# KiCad board usb_power_board.kicad_pcb (continued)
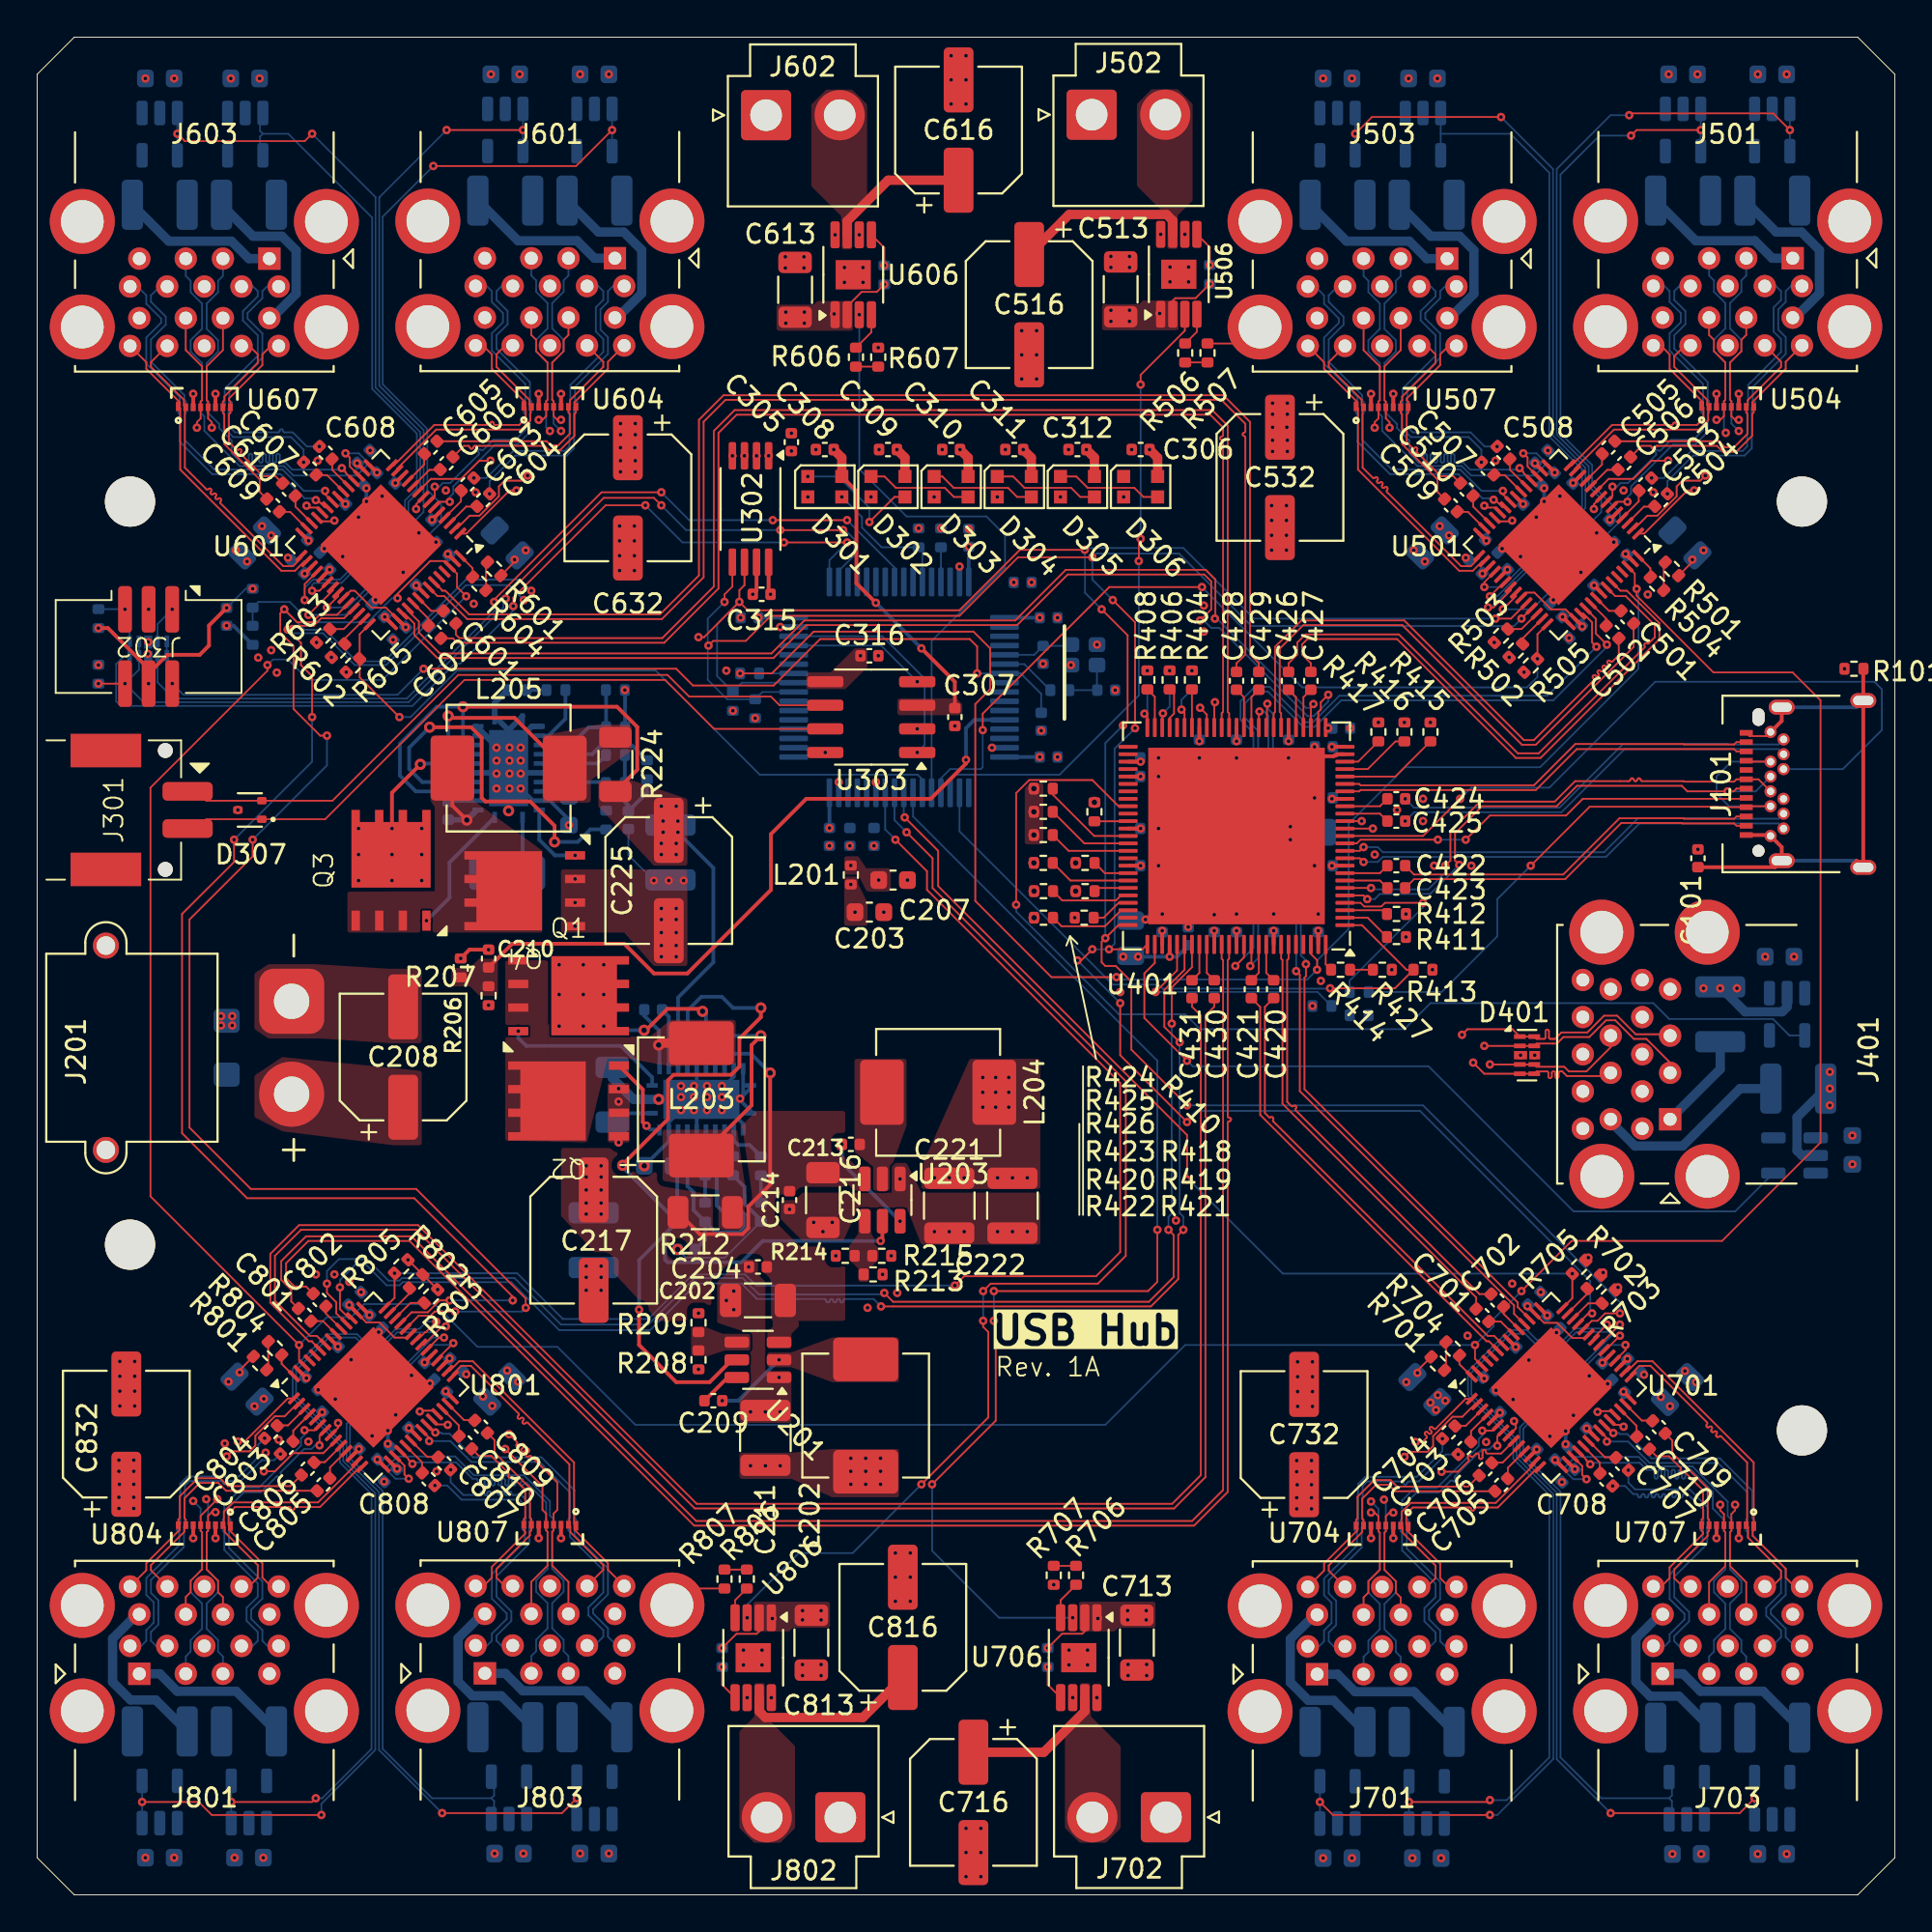
[diagram p0: board, top side]
## Routing (per net, layer and track width the routed paths; a pad name or vN(x,y) marks a point on that pad's centre or on a via; arc(x,y) is an arc through that point) (continued)
/USB Hub 3/D_{C}+: length 23.3
  Top w0.095: U701.17 83.17,23.08 83.17,22.61 v1(83.4,22.38)
  Bottom w0.095: v1(83.4,22.38) 82.69,22.38 82.26,22.81 82.26,23.04 82.8,23.58 86.21,23.58 86.72,23.06 89.1,23.06 91,21.17 91,20.4 91.2,20.2 U710.5 91.2,19.6 91.12,19.52 91.12,17.52 91.74,16.91 91.74,16.29 91.12,15.68 91.12,14.32 91.74,13.71 91.74,13.09 92,12.83 J703.3
/USB Hub 3/D_{C}-: length 23.3
  Top w0.095: U701.18 83.4,23.42 83.4,23.38 v1(83.6,23.18)
  Bottom w0.095: v1(83.6,23.18) 83.68,23.26 86.26,23.26 86.64,22.88 86.98,22.88 arc(87.04,22.86) 87.06,22.8 87.06,22.48 arc(87.08,22.43) 87.13,22.41 87.17,22.41 arc(87.22,22.43) 87.24,22.48 87.24,22.8 arc(87.26,22.86) 87.32,22.88 87.35,22.88 arc(87.41,22.86) 87.43,22.8 87.43,22.48 arc(87.45,22.43) 87.5,22.41 87.54,22.41 arc(87.59,22.43) 87.61,22.48 87.61,22.8 arc(87.63,22.86) 87.69,22.88 87.72,22.88 arc(87.78,22.86) 87.8,22.8 87.8,22.48 arc(87.82,22.43) 87.87,22.41 87.91,22.41 arc(87.96,22.43) 87.98,22.48 87.98,22.8 arc(88,22.86) 88.06,22.88 88.09,22.88 arc(88.15,22.86) 88.17,22.8 88.17,22.48 arc(88.19,22.43) 88.24,22.41 88.28,22.41 arc(88.33,22.43) 88.35,22.48 88.35,22.8 arc(88.37,22.86) 88.43,22.88 88.46,22.88 arc(88.52,22.86) 88.54,22.8 88.54,22.48 arc(88.56,22.43) 88.61,22.41 88.65,22.41 arc(88.7,22.43) 88.72,22.48 88.72,22.8 arc(88.74,22.86) 88.8,22.88 89.03,22.88 90.2,21.7 90.2,20.8 90.8,20.2 U710.4 90.8,19.6 90.88,19.52 90.88,17.52 90.26,16.91 90.26,16.29 90.88,15.68 90.88,14.32 90.26,13.71 90.26,13.09 90,12.83 J703.2
/USB Hub 3/D_{D}+: length 17.2
  Top w0.095: v1(85.4,25.2) 85.3,25.3 84.91,25.3 U701.24 ; v1(91.4,21) 91.4,20.7 91.2,20.5 U707.4 91.2,19.6 91.12,19.52 91.12,17.7 92,16.82 J703.12
  PWRF.Cu w0.095: 85.48,25.08 85.5,25.07
  PWRB.Cu w0.095: v1(91.4,21) 89.66,22.74 arc(89.64,22.79) 89.66,22.84 89.79,22.97 arc(89.82,23.02) 89.79,23.08 89.77,23.1 arc(89.72,23.12) 89.66,23.1 89.53,22.97 arc(89.48,22.95) 89.43,22.97 89.4,23 arc(89.38,23.05) 89.4,23.1 89.53,23.23 arc(89.55,23.29) 89.53,23.34 89.51,23.36 arc(89.45,23.39) 89.4,23.36 89.27,23.23 arc(89.22,23.21) 89.17,23.23 89.14,23.26 arc(89.12,23.31) 89.14,23.36 89.27,23.5 arc(89.29,23.55) 89.27,23.6 89.24,23.63 arc(89.19,23.65) 89.14,23.63 89.01,23.5 arc(88.96,23.47) 88.9,23.5 88.88,23.52 arc(88.86,23.57) 88.88,23.63 89.01,23.76 arc(89.03,23.81) 89.01,23.86 88.98,23.89 arc(88.93,23.91) 88.88,23.89 88.75,23.76 arc(88.7,23.74) 88.64,23.76 88.02,24.38 86.2,24.38 85.6,24.98 85.6,25 v1(85.4,25.2)
/USB Hub 3/D_{D}-: length 17.3
  Top w0.095: J703.11 90,16.82 90.88,17.7 90.88,19.52 90.8,19.6 U707.5 90.8,20.5 90.6,20.7 v1(90.6,21) ; U701.25 84.74,26.04 84.04,26.04 v1(84,26)
  PWRB.Cu w0.095: v1(90.6,21) 90.6,21.45 88.07,23.98 84.36,23.98 84,24.34 v1(84,26)
/USB Hub 3/D_{E}+: length 16.5
  Top w0.095: v1(79.5,25.5) 79.6,25.4 79.6,25.12 U701.8 ; J701.12 73.4,16.01 73.14,16.27 73.14,16.88 72.53,17.5 72.53,19.5 72.6,19.57 U704.4 72.6,20.38 72.8,20.58 v1(73,20.58)
  PWRB.Cu w0.095: v1(73,20.58) 73,20.78 73.6,21.38 76.4,21.38 79.6,24.58 79.6,25.4 v1(79.5,25.5)
/USB Hub 3/D_{E}-: length 16.5
  Top w0.095: v1(75.6,22.78) 76.48,22.78 77.05,23.35 arc(77.08,23.41) 77.05,23.46 77.02,23.49 arc(77,23.54) 77.02,23.6 77.05,23.62 arc(77.1,23.64) 77.15,23.62 77.18,23.59 arc(77.24,23.57) 77.29,23.59 77.46,23.76 77.54,23.76 arc(77.6,23.73) 77.62,23.68 77.62,23.54 arc(77.64,23.48) 77.69,23.46 77.73,23.46 arc(77.78,23.48) 77.8,23.54 77.8,23.88 arc(77.82,23.93) 77.88,23.95 77.91,23.95 arc(77.97,23.93) 77.99,23.88 77.99,23.83 arc(78.01,23.78) 78.06,23.76 78.8,23.76 U701.9 ; J701.11 71.4,16.01 71.66,16.27 71.66,16.88 72.28,17.5 72.28,19.5 72.2,19.57 U704.5 72.2,20.38 72,20.58 v1(71.8,20.58)
  PWRB.Cu w0.095: v1(71.8,20.58) 72.36,20.58 72.76,20.98 72.94,20.98 74.74,22.78 v1(75.6,22.78)
/USB Hub 3/D_{K}+: length 18.9
  Top w0.095: U701.1 76.89,26.7 75.29,25.09 arc(75.23,25.07) 75.18,25.09 75.1,25.17 arc(75.05,25.19) 75,25.17 74.97,25.14 arc(74.95,25.09) 74.97,25.04 75.05,24.96 arc(75.07,24.91) 75.05,24.86 75.02,24.83 arc(74.97,24.81) 74.92,24.83 74.84,24.91 arc(74.79,24.93) 74.74,24.91 74.71,24.88 arc(74.69,24.83) 74.71,24.78 74.79,24.7 arc(74.81,24.65) 74.79,24.6 74.57,24.38 v1(74.2,24.38)
  PWRB.Cu w0.095: v1(72.5,21.28) 74.2,22.98 v1(74.2,24.38)
  Bottom w0.095: v1(72.5,21.28) 72.6,21.18 U705.5 72.6,19.57 72.53,19.5 72.53,17.5 73.14,16.88 73.14,16.27 72.52,15.66 72.52,14.3 73.14,13.68 73.14,13.07 73.4,12.81 J701.3
/USB Hub 3/D_{K}-: length 18.9
  Top w0.095: U701.2 77.4,26.42 76.72,25.74 76.19,25.74 75.14,24.69 75.14,24.16 74.83,23.85 73.88,23.85 v1(73.6,23.58)
  PWRB.Cu w0.095: v1(71.8,21.18) 71.8,21.2 73.6,23 v1(73.6,23.58)
  Bottom w0.095: v1(71.8,21.18) 72.2,20.78 U705.4 72.2,19.57 72.28,19.5 72.28,17.5 71.66,16.88 71.66,16.27 72.28,15.66 72.28,14.3 71.66,13.68 71.66,13.07 71.4,12.81 J701.2
/USB Hub 3/QTXM_{C}: length 1.8
  Top w0.095: 84.96,23.55 84.4,23.55 U701.20
/USB Hub 3/QTXM_{D}: length 1.8
  Top w0.095: 86.94,25.53 86.38,25.53 U701.27
/USB Hub 3/QTXM_{E}: length 1.8
  Top w0.095: 79.17,22.42 79.17,22.99 U701.11
/USB Hub 3/QTXM_{K}: length 1.8
  Top w0.095: 77.19,24.4 77.19,24.97 U701.4
/USB Hub 3/QTXP_{C}: length 1.8
  Top w0.095: 84.12,22.7 84.12,23.27 U701.19
/USB Hub 3/QTXP_{D}: length 1.8
  Top w0.095: U701.26 86.1,25.25 86.1,24.68
/USB Hub 3/QTXP_{E}: length 1.8
  Top w0.095: U701.10 78.88,23.27 78.32,23.27
/USB Hub 3/QTXP_{K}: length 1.8
  Top w0.095: 76.34,25.25 76.9,25.25 U701.3
/USB Hub 3/RX_{C}+: length 19.8
  Top w0.095: v1(84.5,24.4) 84.5,24.58 U701.22
  Bottom w0.095: J703.6 93.4,13.4 93.88,13.87 93.88,14.22 93.07,15.02 93.07,15.45 93.88,16.25 93.88,17.45 92.08,19.25 92.08,19.52 92,19.6 92,20.2 92.08,20.28 92.08,21.65 90.47,23.25 86.8,23.25 85.65,24.4 v1(84.5,24.4)
/USB Hub 3/RX_{C}-: length 19.8
  Top w0.095: U701.23 84.79,24.86 v1(84.85,24.86)
  Bottom w0.095: J703.5 94.6,13.4 94.12,13.87 94.12,14.33 93.32,15.13 93.32,15.35 94.12,16.15 94.12,17.55 92.32,19.35 92.32,19.52 92.4,19.6 92.4,20.2 92.33,20.28 92.32,21.75 90.58,23.5 86.9,23.5 85.6,24.8 85.2,24.8 85.14,24.86 v1(84.85,24.86)
/USB Hub 3/RX_{D}+: length 17.5
  Top w0.095: J703.15 93.4,16.6 93.88,17.07 93.88,17.45 92.1,19.22 92.1,19.8 U707.2 92.05,19.95 92.05,23.27 90.65,24.68 arc(90.59,24.7) 90.54,24.68 90.52,24.66 arc(90.47,24.63) 90.42,24.66 90.39,24.68 arc(90.37,24.73) 90.39,24.79 90.41,24.81 arc(90.43,24.86) 90.41,24.91 90.38,24.94 arc(90.33,24.96) 90.28,24.94 90.26,24.92 arc(90.21,24.9) 90.15,24.92 90.13,24.94 arc(90.11,25) 90.13,25.05 90.15,25.07 arc(90.17,25.12) 90.15,25.17 90.12,25.2 arc(90.07,25.22) 90.02,25.2 90,25.18 arc(89.94,25.16) 89.89,25.18 89.87,25.21 arc(89.84,25.26) 89.87,25.31 89.89,25.33 arc(89.91,25.38) 89.89,25.44 86.85,28.47 86.25,28.47 85.78,28.01 U701.29
/USB Hub 3/RX_{D}-: length 17.4
  Top w0.095: J703.14 94.6,16.6 94.12,17.07 94.12,17.55 92.35,19.33 92.35,19.8 U707.1 92.4,23.28 86.95,28.72 86.14,28.72 85.6,28.18 U701.30
/USB Hub 3/RX_{E}+: length 13.8
  Top w0.095: U701.13 80.62,23.2 78.52,21.1 73.95,21.1 73.45,20.6 73.45,19.93 U704.2 73.5,19.78 73.5,19.5 75.28,17.73 75.28,17.05 74.8,16.58 J701.15
/USB Hub 3/RX_{E}-: length 13.8
  Top w0.095: J701.14 76,16.58 75.53,17.05 75.53,17.83 73.75,19.6 73.75,19.78 U704.1 73.7,19.93 73.7,20.5 74.05,20.85 77.12,20.85 arc(77.17,20.83) 77.19,20.78 77.19,20.76 arc(77.21,20.71) 77.26,20.69 77.3,20.69 arc(77.35,20.71) 77.38,20.76 77.38,20.78 arc(77.4,20.83) 77.45,20.85 78.62,20.85 80.79,23.02 U701.14
/USB Hub 3/RX_{K}+: length 17.1
  Top w0.095: U701.6 78.34,24.99 v1(77.79,24.99)
  Bottom w0.095: v1(77.79,24.99) 77.79,24.73 77.6,24.54 77.6,24.16 75.34,21.9 74.15,21.9 73.47,21.23 73.47,20.26 73.4,20.18 U705.7 73.4,19.57 73.48,19.5 73.47,18.55 75.27,16.75 75.28,16.03 74.68,15.43 74.68,14.73 75.28,14.13 75.27,13.65 75,13.38 J701.6
/USB Hub 3/RX_{K}-: length 17.1
  Top w0.095: v1(78.6,24.18) 78.6,24.68 U701.7
  Bottom w0.095: J701.5 75.8,13.38 75.53,13.65 75.53,14.23 74.93,14.83 74.93,15.33 75.53,15.93 75.53,16.85 73.72,18.65 73.72,19.5 73.8,19.57 73.8,20.18 73.72,20.26 73.72,21.13 74.25,21.65 75.44,21.65 76.08,22.29 arc(76.13,22.31) 76.19,22.29 76.21,22.27 arc(76.26,22.25) 76.31,22.27 76.34,22.3 arc(76.36,22.35) 76.34,22.4 76.32,22.42 arc(76.3,22.47) 76.32,22.53 77.77,23.98 78.17,23.98 78.36,24.18 v1(78.6,24.18)
/USB Hub 3/TX_{C}+: length 16.6
  Bottom w0.095: v1(84.81,22.01) 85.48,22.01 85.92,21.57 86.1,21.57 arc(86.15,21.55) 86.17,21.5 86.17,21.46 arc(86.19,21.41) 86.25,21.39 86.28,21.39 arc(86.34,21.41) 86.36,21.46 86.36,21.5 arc(86.38,21.55) 86.43,21.57 86.47,21.57 arc(86.52,21.55) 86.54,21.5 86.54,21.46 arc(86.56,21.41) 86.62,21.39 86.65,21.39 arc(86.71,21.41) 86.73,21.46 86.73,21.5 arc(86.75,21.55) 86.8,21.57 86.84,21.57 arc(86.89,21.55) 86.91,21.5 86.91,21.46 arc(86.93,21.41) 86.99,21.39 87.02,21.39 arc(87.08,21.41) 87.1,21.46 87.1,21.5 arc(87.12,21.55) 87.17,21.57 87.21,21.57 arc(87.26,21.55) 87.28,21.5 87.28,21.46 arc(87.3,21.41) 87.36,21.39 87.39,21.39 arc(87.45,21.41) 87.47,21.46 87.47,21.5 arc(87.49,21.55) 87.54,21.57 87.58,21.57 arc(87.63,21.55) 87.65,21.5 87.65,21.46 arc(87.67,21.41) 87.73,21.39 87.76,21.39 arc(87.82,21.41) 87.84,21.46 87.84,21.5 arc(87.86,21.55) 87.91,21.57 87.95,21.57 arc(88,21.55) 88.02,21.5 88.02,21.46 arc(88.04,21.41) 88.1,21.39 88.13,21.39 arc(88.19,21.41) 88.21,21.46 88.21,21.5 arc(88.23,21.55) 88.28,21.57 88.32,21.57 arc(88.37,21.55) 88.39,21.5 88.39,21.46 arc(88.41,21.41) 88.47,21.39 88.5,21.39 arc(88.56,21.41) 88.58,21.46 88.58,21.5 arc(88.6,21.55) 88.65,21.57 88.85,21.57 89.7,20.72 89.7,19.95 U710.1 89.65,19.8 89.65,19 87.87,17.23 87.88,15.93 88.67,15.13 88.68,14.83 87.88,14.03 87.87,13.65 87.62,13.4 J703.9
/USB Hub 3/TX_{C}-: length 15.1
  Bottom w0.095: v1(85.66,22.86) 85.66,22.19 86.02,21.82 88.95,21.82 89.95,20.83 89.95,19.95 U710.2 89.9,19.8 89.9,18.9 88.12,17.13 88.12,16.03 88.93,15.23 88.93,14.73 88.12,13.93 88.12,13.65 88.38,13.4 J703.8
/USB Hub 3/TX_{D}+: length 10.6
  Top w0.095: C710.1 87.17,23.61 87.84,23.61 88.47,22.98 arc(88.49,22.93) 88.47,22.88 arc(88.45,22.83) 88.47,22.78 88.5,22.75 arc(88.55,22.73) 88.6,22.75 arc(88.65,22.77) 88.7,22.75 89.68,21.78 89.68,20.28 89.6,20.2 89.6,19.6 89.68,19.52 89.68,19.43 87.88,17.63 87.88,17.05 87.42,16.6 J703.18
/USB Hub 3/TX_{D}-: length 10.6
  Top w0.095: J703.17 88.58,16.6 88.12,17.05 88.12,17.53 89.93,19.33 89.93,19.52 90,19.6 U707.7 90,20.2 89.93,20.28 89.93,21.88 88.02,23.78 88.02,24.46 C709.1
/USB Hub 3/TX_{E}+: length 13.5
  Top w0.095: J701.18 69.28,17.45 69.28,17.83 71.07,19.63 71.07,19.73 71,19.8 U704.8 71,20.18 71.07,20.26 71.07,21.43 71.97,22.33 72.85,22.33 73.2,21.98 76.52,21.98 arc(76.57,22) 76.59,22.05 76.59,22.06 arc(76.61,22.11) 76.67,22.13 76.7,22.13 arc(76.76,22.11) 76.78,22.06 76.78,22.05 arc(76.8,22) 76.85,21.98 77.03,21.98 C706.1
/USB Hub 3/TX_{E}-: length 13.5
  Top w0.095: J701.17 69.53,17.45 69.53,17.73 71.32,19.53 71.32,19.73 71.4,19.8 U704.7 71.4,20.18 71.32,20.26 71.32,21.33 72.07,22.08 72.75,22.08 73.1,21.73 C705.1
/USB Hub 3/TX_{K}+: length 16.5
  Bottom w0.095: J701.9 69,13.38 69.28,13.65 69.28,14.23 69.67,14.63 69.67,15.73 69.28,16.13 69.28,17.03 71.05,18.8 71.05,19.78 U705.1 71.1,19.93 71.1,22.11 71.49,22.5 74.26,22.5 75.65,23.88 v1(75.65,24.56)
/USB Hub 3/TX_{K}-: length 16.5
  Bottom w0.095: v1(76.49,23.71) 75.82,23.71 74.37,22.25 73.82,22.25 arc(73.76,22.23) 73.74,22.18 73.74,22.16 arc(73.72,22.11) 73.67,22.09 73.63,22.09 arc(73.58,22.11) 73.56,22.16 73.56,22.18 arc(73.53,22.23) 73.48,22.25 71.6,22.25 71.35,22.01 71.35,19.93 U705.2 71.3,19.78 71.3,18.7 69.53,16.93 69.53,16.23 69.93,15.83 69.93,14.53 69.53,14.13 69.52,13.65 69.8,13.38 J701.8
/USB Hub 4/BIAS: length 1.4
  Top w0.095: U801.56 13.16,28.59 R804.2
/USB Hub 4/BIASM: length 1.6
  Top w0.095: R801.2 12.44,28.34 R804.1
/USB Hub 4/CTL1: length 43.7
  Top w0.09: v1(21.49,30.86) 20.93,30.3 20.9,30.3 20.5,29.9 U801.36 ; v1(15,5.2) 14.8,5 v1(10.45,5)
  Bottom w0.09: v1(15,5.2) 15.34,5.2 18,7.86 18,21.57 16.3,23.27 16.3,24.21 13.76,26.75 13.76,28.31 15.63,30.18 17.22,30.18 17.5,29.9 18.74,29.9 19.31,30.46 20.56,30.46 20.96,30.86 v1(21.49,30.86) ; U802.4 v1(10.45,5) U802.3
/USB Hub 4/CTL2: length 50.1
  Top w0.09: U801.35 20.82,29.62 21.8,30.6 v1(22,30.6) ; v1(15.3,4.3) 9.4,4.3 8.7,5 v1(5.65,5)
  Bottom w0.09: U803.3 v1(5.65,5) U803.4 ; v1(22,30.6) 21.8,30.6 21.48,30.28 19.38,30.28 18.8,29.7 17.44,29.7 17.14,30 15.7,30 13.94,28.24 13.94,26.82 16.48,24.29 16.48,23.35 18.2,21.63 18.2,7.8 15.3,4.9 v1(15.3,4.3)
/USB Hub 4/CTL3: length 41.3
  Top w0.09: v1(21.9,30) 21.63,30 U801.34 ; v1(29.05,5.2) 28.25,4.4 v1(21.8,4.4)
  Bottom w0.09: U808.4 v1(29.05,5.2) U808.3 ; v1(21.9,30) 21.3,30 16.66,25.35 16.66,23.42 18.4,21.68 18.4,7.8 v1(21.8,4.4)
/USB Hub 4/CTL4: length 36.3
  Top w0.09: v1(22.4,29.7) 21.53,28.83 U801.32
  Bottom w0.09: 24.45,5.2 24.6,5.35 24.6,6.21 U809.4 ; 24.45,5.2 21.26,5.2 18.6,7.86 18.6,21.74 16.84,23.5 16.84,25.28 21.16,29.6 22.3,29.6 v1(22.4,29.7) ; 24.45,5.2 24.6,5.05 24.6,4.24 U809.3
/USB Hub 4/D_{C}+: length 23.3
  Top w0.095: U801.17 19.77,23.11 19.77,22.63 v1(20,22.4)
  Bottom w0.095: J803.3 28.6,12.86 28.34,13.12 28.34,13.73 27.72,14.34 27.72,15.7 28.34,16.32 28.34,16.93 27.72,17.54 27.72,19.54 27.8,19.62 U810.5 27.8,20.22 27.6,20.42 27.6,21.19 26.2,22.59 23.51,22.59 22.5,23.6 19.4,23.6 18.86,23.06 18.86,22.83 19.29,22.4 v1(20,22.4)
/USB Hub 4/D_{C}-: length 23.3
  Top w0.095: U801.18 20,23.44 20,23.4 v1(20.2,23.2)
  Bottom w0.095: v1(20.2,23.2) 20.28,23.28 22.56,23.28 23.44,22.4 23.64,22.4 arc(23.69,22.38) 23.71,22.33 23.71,22.11 arc(23.73,22.06) 23.78,22.04 23.82,22.04 arc(23.87,22.06) 23.9,22.11 23.9,22.33 arc(23.92,22.38) 23.97,22.4 24.01,22.4 arc(24.06,22.38) 24.08,22.33 24.08,22.11 arc(24.1,22.06) 24.15,22.04 24.19,22.04 arc(24.24,22.06) 24.27,22.11 24.27,22.33 arc(24.29,22.38) 24.34,22.4 24.38,22.4 arc(24.43,22.38) 24.45,22.33 24.45,22.11 arc(24.47,22.06) 24.52,22.04 24.56,22.04 arc(24.61,22.06) 24.64,22.11 24.64,22.33 arc(24.66,22.38) 24.71,22.4 24.75,22.4 arc(24.8,22.38) 24.82,22.33 24.82,22.11 arc(24.84,22.06) 24.89,22.04 24.93,22.04 arc(24.98,22.06) 25.01,22.11 25.01,22.33 arc(25.03,22.38) 25.08,22.4 25.12,22.4 arc(25.17,22.38) 25.19,22.33 25.19,22.11 arc(25.21,22.06) 25.26,22.04 25.3,22.04 arc(25.35,22.06) 25.38,22.11 25.38,22.33 arc(25.4,22.38) 25.45,22.4 25.49,22.4 arc(25.54,22.38) 25.56,22.33 25.56,22.11 arc(25.58,22.06) 25.63,22.04 25.67,22.04 arc(25.72,22.06) 25.75,22.11 25.75,22.33 arc(25.77,22.38) 25.82,22.4 26.13,22.4 arc(26.15,22.35) 26.13,22.3 26.01,22.18 arc(25.99,22.13) 26.01,22.07 26.04,22.05 arc(26.09,22.03) 26.14,22.05 26.26,22.16 arc(26.31,22.19) 26.36,22.16 27.4,21.13 U810.4 27.4,19.62 27.47,19.54 27.47,17.54 26.86,16.93 26.86,16.32 27.47,15.7 27.47,14.34 26.86,13.73 26.86,13.12 26.6,12.86 J803.2
/USB Hub 4/D_{D}+: length 17.6
  Top w0.095: v1(25.4,24.8) 25.83,24.37 arc(25.85,24.32) 25.83,24.27 25.81,24.24 arc(25.78,24.19) 25.81,24.14 25.83,24.11 arc(25.88,24.09) 25.94,24.11 26.09,24.26 arc(26.14,24.29) 26.19,24.26 26.22,24.24 arc(26.24,24.18) 26.22,24.13 26.07,23.98 arc(26.05,23.93) 26.07,23.88 26.09,23.85 arc(26.15,23.83) 26.2,23.85 26.35,24 arc(26.4,24.02) 26.45,24 26.48,23.98 arc(26.5,23.92) 26.48,23.87 26.33,23.72 arc(26.31,23.67) 26.33,23.62 26.36,23.59 arc(26.41,23.57) 26.46,23.59 26.48,23.61 arc(26.53,23.63) 26.59,23.61 28,22.2 28,20.72 27.8,20.52 U807.4 27.8,19.62 27.72,19.54 27.72,17.72 28.6,16.85 J803.12 ; v1(22.1,25.3) 22.1,25.32 21.51,25.32 U801.24
  PWRB.Cu w0.095: v1(25.4,24.8) 25,24.4 22.8,24.4 22.2,25 22.2,25.2 v1(22.1,25.3)
/USB Hub 4/D_{D}-: length 17.6
  Top w0.095: v1(25.2,24) 27.2,22 27.2,20.72 27.4,20.52 U807.5 27.4,19.62 27.47,19.54 27.47,17.72 26.6,16.85 J803.11 ; U801.25 21.34,26.06 20.64,26.06 v1(20.6,26.02)
  PWRB.Cu w0.095: v1(25.2,24) 20.96,24 20.6,24.36 v1(20.6,26.02)
/USB Hub 4/D_{E}+: length 16.1
  Top w0.095: U801.8 16.2,25.14 v1(16.2,25.4) ; J801.12 10,16.03 9.74,16.29 9.74,16.91 9.12,17.52 9.12,19.52 9.2,19.6 U804.4 9.2,20.4 9.4,20.6 v1(9.6,20.6)
  PWRB.Cu w0.095: v1(9.6,20.6) 11.4,22.4 14,22.4 16.2,24.6 v1(16.2,25.4)
/USB Hub 4/D_{E}-: length 16.1
  Top w0.095: U801.9 15.4,23.78 13.78,23.78 12.8,22.8 v1(12.2,22.8) ; J801.11 8,16.03 8.26,16.29 8.26,16.91 8.87,17.52 8.87,19.52 8.8,19.6 U804.5 8.8,20.4 v1(9.7,21.3)
  PWRB.Cu w0.095: v1(9.7,21.3) 10.21,21.81 arc(10.23,21.86) 10.21,21.91 10.18,21.93 arc(10.16,21.98) 10.18,22.04 10.21,22.06 arc(10.26,22.08) 10.32,22.06 10.46,21.92 arc(10.51,21.89) 10.57,21.92 10.59,21.94 arc(10.61,21.99) 10.59,22.05 10.45,22.19 arc(10.42,22.25) 10.45,22.3 10.47,22.32 arc(10.53,22.35) 10.58,22.32 10.72,22.18 arc(10.78,22.16) 10.83,22.18 10.85,22.2 arc(10.88,22.26) 10.85,22.31 10.71,22.45 arc(10.69,22.51) 10.71,22.56 10.73,22.59 arc(10.79,22.61) 10.84,22.59 10.86,22.56 arc(10.91,22.54) 10.96,22.56 11.2,22.8 v1(12.2,22.8)
/USB Hub 4/D_{K}+: length 18.9
  Top w0.095: v1(10.8,24.4) 11.17,24.4 13.49,26.72 U801.1
  PWRB.Cu w0.095: v1(9.1,21.3) 10.8,23 10.8,23.13 arc(10.82,23.19) 10.87,23.21 10.9,23.21 arc(10.95,23.23) 10.97,23.28 10.97,23.32 arc(10.95,23.37) 10.9,23.39 10.7,23.39 arc(10.65,23.42) 10.63,23.47 10.63,23.5 arc(10.65,23.56) 10.7,23.58 10.9,23.58 arc(10.95,23.6) 10.97,23.65 10.97,23.69 arc(10.95,23.74) 10.9,23.76 10.87,23.76 arc(10.82,23.79) 10.8,23.84 v1(10.8,24.4)
  Bottom w0.095: v1(9.1,21.3) 9.2,21.2 U805.5 9.2,19.6 9.12,19.52 9.12,17.52 9.74,16.91 9.74,16.29 9.12,15.68 9.12,14.32 9.74,13.71 9.74,13.09 10,12.83 J801.3
/USB Hub 4/D_{K}-: length 18.9
  Top w0.095: U801.2 14,26.44 13.32,25.76 12.79,25.76 11.74,24.71 11.74,24.18 11.43,23.88 10.47,23.88 v1(10.2,23.6)
  PWRB.Cu w0.095: v1(8.4,21.2) 10.2,23 v1(10.2,23.6)
  Bottom w0.095: v1(8.4,21.2) 8.8,20.8 U805.4 8.8,19.6 8.87,19.52 8.87,17.52 8.26,16.91 8.26,16.29 8.87,15.68 8.87,14.32 8.26,13.71 8.26,13.09 8,12.83 J801.2
/USB Hub 4/QTXM_{C}: length 1.8
  Top w0.095: U801.20 21,23.58 21.56,23.58
/USB Hub 4/QTXM_{D}: length 1.8
  Top w0.095: U801.27 22.98,25.56 23.54,25.56
/USB Hub 4/QTXM_{E}: length 1.8
  Top w0.095: 15.77,22.44 15.77,23.01 U801.11
/USB Hub 4/QTXM_{K}: length 1.8
  Top w0.095: U801.4 13.79,24.99 13.79,24.42
/USB Hub 4/QTXP_{C}: length 1.8
  Top w0.095: U801.19 20.72,23.29 20.72,22.73
/USB Hub 4/QTXP_{D}: length 1.8
  Top w0.095: U801.26 22.7,25.27 22.7,24.71
/USB Hub 4/QTXP_{E}: length 1.8
  Top w0.095: 14.92,23.29 15.48,23.29 U801.10
/USB Hub 4/QTXP_{K}: length 1.8
  Top w0.095: U801.3 13.5,25.27 12.94,25.27
/USB Hub 4/RX_{C}+: length 19.8
  Top w0.095: U801.22 21.1,24.61 v1(21.1,24.42)
  Bottom w0.095: J803.6 30,13.42 30.48,13.9 30.47,14.25 29.67,15.05 29.67,15.47 30.47,16.27 30.47,17.47 28.68,19.27 28.68,19.54 28.6,19.62 28.6,20.23 28.68,20.3 28.68,21.67 27.05,23.3 23.37,23.3 22.25,24.42 v1(21.1,24.42)
/USB Hub 4/RX_{C}-: length 19.8
  Top w0.095: v1(21.44,24.89) 21.38,24.89 U801.23
  Bottom w0.095: J803.5 31.2,13.42 30.72,13.9 30.72,14.35 29.93,15.15 29.93,15.37 30.72,16.17 30.72,17.57 28.92,19.37 28.92,19.54 29,19.62 29,20.23 28.93,20.3 28.92,21.77 27.15,23.55 23.47,23.55 22.2,24.82 21.8,24.82 21.73,24.89 v1(21.44,24.89)
/USB Hub 4/RX_{D}+: length 17
  Top w0.095: U801.29 22.38,28.03 22.82,28.47 23.35,28.47 25.91,25.91 arc(25.93,25.86) 25.91,25.81 25.88,25.77 arc(25.86,25.72) 25.88,25.66 25.9,25.64 arc(25.96,25.62) 26.01,25.64 26.04,25.67 arc(26.1,25.7) 26.15,25.67 26.17,25.65 arc(26.2,25.6) 26.17,25.54 26.14,25.51 arc(26.12,25.46) 26.14,25.4 26.16,25.38 arc(26.22,25.36) 26.27,25.38 26.31,25.41 arc(26.36,25.43) 26.41,25.41 28.65,23.17 28.65,19.97 U807.2 28.7,19.82 28.7,19.52 30.48,17.75 30.47,17.5 J803.15
/USB Hub 4/RX_{D}-: length 16.9
  Top w0.095: 28.9,19.97 28.9,23.28 23.45,28.73 22.72,28.73 22.2,28.21 U801.30 ; J803.14 30.72,17.5 30.72,17.85 28.95,19.63 28.95,19.82 U807.1
/USB Hub 4/RX_{E}+: length 13.8
  Top w0.095: U801.13 17.22,23.22 15.12,21.13 10.55,21.13 10.05,20.63 10.05,19.95 U804.2 10.1,19.8 10.1,19.52 11.88,17.75 11.88,17.08 11.4,16.6 J801.15
/USB Hub 4/RX_{E}-: length 13.8
  Top w0.095: U801.14 17.39,23.04 15.22,20.88 13.92,20.88 arc(13.86,20.85) 13.84,20.8 13.84,20.78 arc(13.82,20.73) 13.77,20.71 13.73,20.71 arc(13.68,20.73) 13.66,20.78 13.66,20.8 arc(13.64,20.85) 13.58,20.87 10.65,20.88 10.3,20.52 10.3,19.95 U804.1 10.35,19.8 10.35,19.63 12.12,17.85 12.12,17.08 12.6,16.6 J801.14
/USB Hub 4/RX_{K}+: length 16.9
  Top w0.095: U801.6 14.94,25.01 v1(14.39,25.01)
  Bottom w0.095: J801.6 11.6,13.4 11.88,13.68 11.87,14.15 11.27,14.75 11.28,15.45 11.88,16.05 11.88,16.77 10.08,18.57 10.08,19.52 10,19.6 10,20.2 10.08,20.28 10.08,20.97 11.03,21.93 11.94,21.93 14.2,24.19 14.2,24.57 14.39,24.75 v1(14.39,25.01)
/USB Hub 4/RX_{K}-: length 16.9
  Top w0.095: v1(15.2,24.2) 15.2,24.71 U801.7
  Bottom w0.095: J801.5 12.4,13.4 12.12,13.68 12.12,14.25 11.53,14.85 11.53,15.35 12.12,15.95 12.12,16.87 10.32,18.67 10.32,19.52 10.4,19.6 10.4,20.2 10.32,20.28 10.32,20.87 11.13,21.68 12.04,21.68 12.88,22.52 arc(12.94,22.54) 12.99,22.52 13.01,22.5 arc(13.06,22.48) 13.11,22.5 13.14,22.52 arc(13.16,22.58) 13.14,22.63 13.12,22.65 arc(13.1,22.7) 13.12,22.75 14.37,24 14.77,24 14.96,24.2 v1(15.2,24.2)
/USB Hub 4/TX_{C}+: length 15
  Bottom w0.095: J803.9 24.22,13.42 24.47,13.68 24.47,14.05 25.28,14.85 25.27,15.15 24.47,15.95 24.47,17.25 26.25,19.03 26.25,19.82 U810.1 26.3,19.97 26.3,20.92 25.95,21.28 22.84,21.28 22.08,22.03 v1(21.41,22.03)
/USB Hub 4/TX_{C}-: length 16.6
  Bottom w0.095: v1(22.26,22.88) 22.26,22.21 22.94,21.53 23.79,21.53 arc(23.84,21.55) 23.86,21.6 23.86,21.65 arc(23.89,21.7) 23.94,21.72 23.98,21.72 arc(24.03,21.7) 24.05,21.65 24.05,21.6 arc(24.07,21.55) 24.12,21.52 24.16,21.52 arc(24.21,21.55) 24.23,21.6 24.23,21.65 arc(24.26,21.7) 24.31,21.72 24.35,21.72 arc(24.4,21.7) 24.42,21.65 24.42,21.6 arc(24.44,21.55) 24.49,21.52 24.53,21.52 arc(24.58,21.55) 24.6,21.6 24.6,21.65 arc(24.63,21.7) 24.68,21.72 24.72,21.72 arc(24.77,21.7) 24.79,21.65 24.79,21.6 arc(24.81,21.55) 24.86,21.52 24.9,21.53 arc(24.95,21.55) 24.97,21.6 24.97,21.65 arc(25,21.7) 25.05,21.72 25.09,21.72 arc(25.14,21.7) 25.16,21.65 25.16,21.6 arc(25.18,21.55) 25.23,21.52 25.27,21.53 arc(25.32,21.55) 25.34,21.6 25.34,21.65 arc(25.37,21.7) 25.42,21.72 25.46,21.72 arc(25.51,21.7) 25.53,21.65 25.53,21.6 arc(25.55,21.55) 25.6,21.52 26.05,21.53 26.55,21.03 26.55,19.97 U810.2 26.5,19.82 26.5,18.92 24.72,17.15 24.73,16.05 25.53,15.25 25.53,14.75 24.73,13.95 24.73,13.68 24.98,13.42 J803.8
/USB Hub 4/TX_{D}+: length 10.6
  Top w0.095: J803.18 24.02,16.62 24.47,17.08 24.47,17.65 26.28,19.45 26.28,19.54 26.2,19.62 U807.8 26.2,20.23 26.28,20.3 26.28,21.8 25.6,22.47 arc(25.55,22.49) 25.5,22.47 arc(25.45,22.45) 25.4,22.47 25.37,22.5 arc(25.35,22.55) 25.37,22.6 arc(25.39,22.65) 25.37,22.7 24.44,23.63 23.77,23.63 C810.1
/USB Hub 4/TX_{D}-: length 10.6
  Top w0.095: J803.17 25.18,16.62 24.73,17.08 24.72,17.55 26.52,19.35 26.52,19.54 26.6,19.62 U807.7 26.6,20.23 26.53,20.3 26.53,21.9 24.62,23.81 24.62,24.48 C809.1
/USB Hub 4/TX_{E}+: length 13.6
  Top w0.095: J801.18 5.87,17.48 5.87,17.85 7.67,19.65 7.68,19.75 7.6,19.82 U804.8 7.6,20.2 7.67,20.28 7.68,21.45 8.65,22.42 9.85,22.42 10.28,22 13.05,22 arc(13.11,22.02) 13.13,22.07 13.13,22.08 arc(13.15,22.14) 13.2,22.16 13.24,22.16 arc(13.29,22.14) 13.31,22.08 13.31,22.07 arc(13.33,22.02) 13.39,22 13.63,22 C806.1
/USB Hub 4/TX_{E}-: length 13.6
  Top w0.095: J801.17 6.12,17.47 6.12,17.75 7.92,19.55 7.92,19.75 8,19.82 U804.7 8,20.2 7.92,20.28 7.92,21.35 8.75,22.17 9.75,22.17 10.17,21.75 C805.1
/USB Hub 4/TX_{K}+: length 16.5
  Bottom w0.095: v1(12.25,24.58) 11.9,24.23 11.9,23.56 10.86,22.53 8.09,22.53 7.7,22.13 7.7,19.95 U805.1 7.65,19.8 7.65,18.83 5.87,17.05 5.87,16.15 6.27,15.75 6.27,14.65 5.87,14.25 5.87,13.68 5.6,13.4 J801.9
/USB Hub 4/TX_{K}-: length 16.5
  Bottom w0.095: v1(13.09,23.73) 12.76,23.4 12.09,23.4 10.97,22.28 10.25,22.28 arc(10.2,22.25) 10.18,22.2 10.18,22.18 arc(10.16,22.13) 10.1,22.11 10.07,22.11 arc(10.01,22.13) 9.99,22.18 9.99,22.2 arc(9.97,22.25) 9.92,22.28 8.2,22.28 7.95,22.03 7.95,19.95 U805.2 7.9,19.8 7.9,18.72 6.12,16.95 6.12,16.25 6.52,15.85 6.52,14.55 6.12,14.15 6.13,13.68 6.4,13.4 J801.8
Net-(J101-SHIELD): length 30.9
  Top w0.095: J101.A12 92.17,62.38 93.09,62.38 J101.B1
  Top w0.2: 93.31,62.6 93.91,63.19 J101.S1 ; 97.94,55.67 J101.S1 J101.S1 98.3,65.99 R101.2 ; J101.A1 93.26,57.05 J101.B12 93.91,56.4 J101.S1 93.56,55.32 C101.2
  Bottom w0.2: J101.S1 97.94,55.67 J101.S1 ; J101.S1 97.94,63.93 J101.S1
Net-(J502-Pin_2): length 9.5
  Top w0.5: U506.7 61.13,90.12 60.8,90.45 55.55,90.45 C516.1
Net-(J602-Pin_2): length 7.6
  Top w0.5: C616.1 45.81,92.3 43.6,90.1 43.6,89.36
Net-(J702-Pin_2): length 7.6
  Top w0.5: 56.4,10.62 56.4,9.88 54.19,7.68 C716.1
Net-(J802-Pin_2): length 9.5
  Top w0.5: U806.7 38.87,9.88 39.2,9.55 44.45,9.55 C816.1
Net-(R506-Pad2): length 1.2
  Top w0.09: R506.2 R507.1
Net-(R606-Pad2): length 1.2
  Top w0.09: R606.2 R607.1
Net-(R706-Pad2): length 1.2
  Top w0.09: 55.93,17.71 R707.1
Net-(R806-Pad2): length 1.2
  Top w0.09: R806.2 R807.1
Net-(U501A-SPI_CE_N/CFG_NON_REM): length 1.8
  Top w0.095: R502.2 79.96,67.63 U501.41
Net-(U501A-SPI_DI/CFG_BC_EN): length 1.9
  Top w0.095: U501.40 79.91,68.14 R503.2
Net-(U501A-USB3UP_TXDM): length 1.6
  Top w0.095: U501.48 84.61,69.12 C501.2
